# Altium PCB MC21R01.PcbDoc (part 5 of 5)
Units mm, origin at the board's own origin, x right, y up, seen from the top; angles counter-clockwise.
Board outline 100 x 50 mm, 8 copper layers (Top Layer, Layer 2, Layer 3, Layer 4, Layer 5, Layer 6, Layer 7, Bottom Layer), stack 1.724 mm thick; 414 components, 332 nets, 1863 pads, 665 vias.
Unrouted connection lines stored in the file: 196.
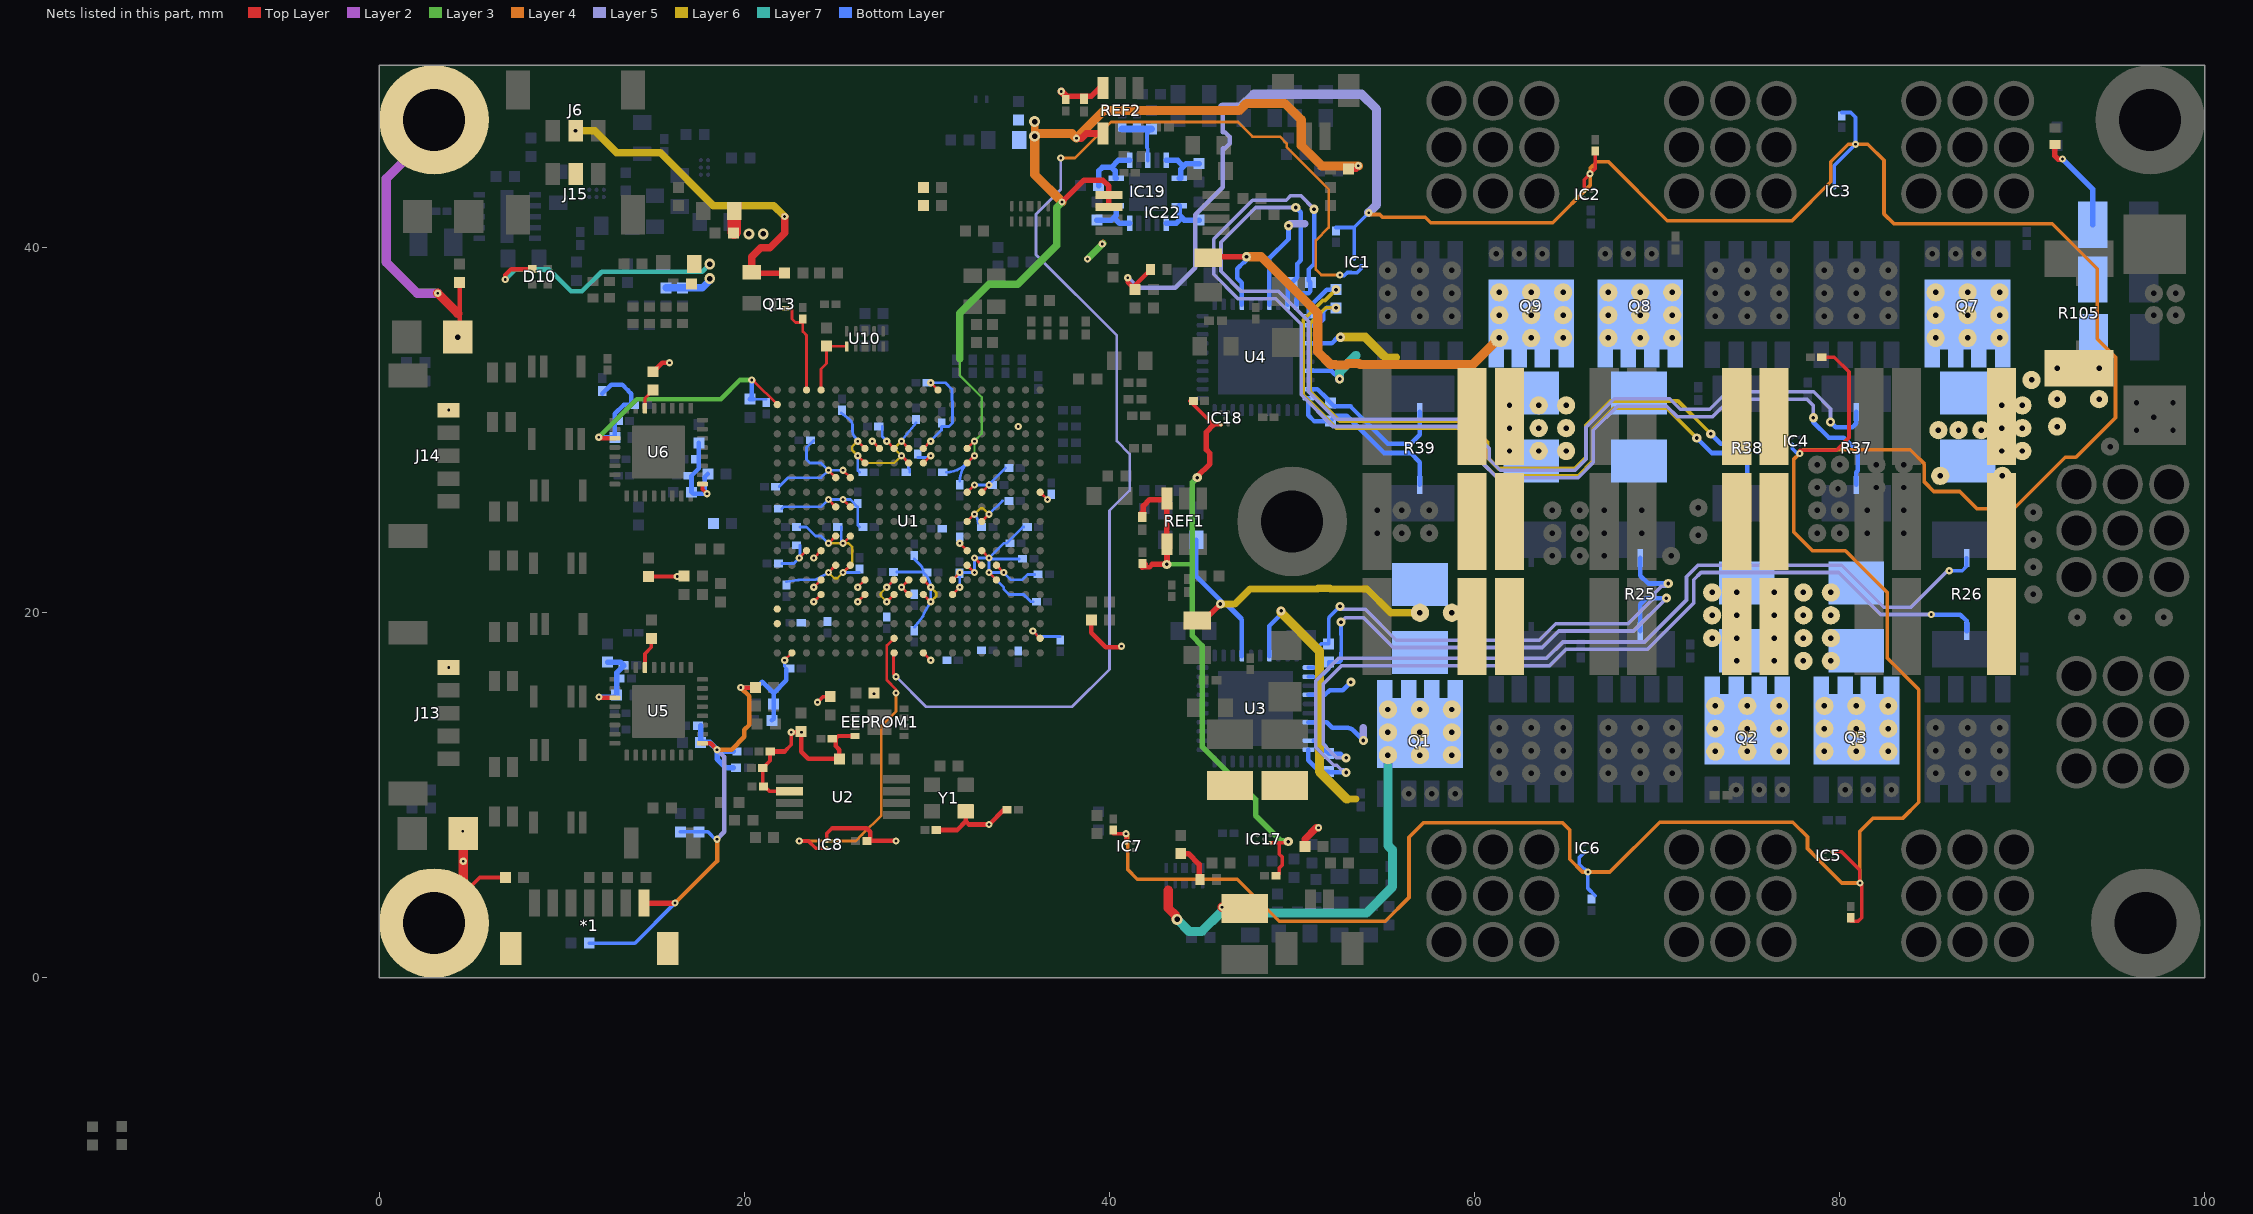
[diagram p11: the nets of this part, all layers, seen from the top]

## Via types
v1: diameter 0.4, hole 0.15, Top Layer to Bottom Layer, 497 vias
v2: diameter 0.5, hole 0.2, Top Layer to Bottom Layer, 122 vias
v3: diameter 0.6, hole 0.3, Top Layer to Bottom Layer, 45 vias
v4: diameter 0.4/0.4/0.4/0.4/0.4/0.4/0.4/0.4 (per signal layer), hole 0.15, Top Layer to Bottom Layer, 1 vias

## Nets (pads, with @x,y where several pads share a name; then routed paths per layer and width w, separated by ;. In a path a pad name is that pad's centre, name@x,y a point inside that pad or via, vN(x,y) a via of type N, cw(c..) or ccw(c..) an arc to the next point about the centre after c; other vN are vias at no path point) (continued)
SA2_N: C45.2 R37.3 U4.10 | length 64.1
  Layer 5 w0.2: v2(51.2,42.1) 51.2,42.119 50.469,42.85 49.931,42.85 49.681,42.6 47.834,42.6 45.7,40.466 45.7,38.534 47.034,37.2 49.1,37.2 50.5,35.8 50.5,31.934 52.234,30.2 59.034,30.2 60.4,28.834 60.4,28.234 61.234,27.4 65.666,27.4 66.5,28.234 66.5,30 67.817,31.317 70.517,31.317 71.09,30.744 73.044,30.744 74,31.7 78.203,31.7 78.55,31.353 v2(78.55,30.678)
  Bottom Layer w0.25: U4.10@50.25,36.875 50.25,37.25 50.5,37.5 50.9,37.5 51,37.6 C45.2@51,38.1 50.9,38.2 50.9,38.8 51.2,39.1 v2(51.2,42.1) ; v2(78.55,30.678) 78.55,30.434 79.387,29.597 80.226,29.597 80.975,28.848 80.975,27.77 80.905,27.7 R37.3@80.905,27
SA2_P: C45.1 R37.4 U4.9 | length 59.8
  Layer 5 w0.2: v2(50.2,42.2) 48,42.2 46.1,40.3 46.1,38.7 47.2,37.6 49.266,37.6 50.9,35.966 50.9,32.1 52.4,30.6 59.2,30.6 60.8,29 60.8,28.4 61.4,27.8 65.5,27.8 66.1,28.4 66.1,30.166 67.651,31.717 70.683,31.717 71.256,31.144 72.879,31.144 73.834,32.1 78.568,32.1 79.49,31.178 v2(79.49,30.45)
  Bottom Layer w0.25: U4.9@49.75,36.875 49.75,37.85 C45.1@50,38.1 50.275,38.375 50.275,39.104 50.475,39.304 50.475,41.929 50.204,42.2 v2(50.2,42.2) ; v2(79.49,30.45) 79.779,30.161 80.695,30.161 80.905,30.371 ; R37.4@80.9,30.6 80.9,30.995 R37.4@80.905,31 80.905,30.371
SB1_N: C23.2 R25.3 U3.11 | length 27.4
  Layer 5 w0.2: v2(52.621,20.35) 52.621,20.28 52.701,20.2 54,20.2 55.7,18.5 63.534,18.5 64.434,19.4 68.4,19.4 69.85,20.85 69.85,21.069 70.231,21.45 70.45,21.45 v2(70.6,21.6)
  Bottom Layer w0.2: U3.11@50.9,17 51.3,17 51.4,17.1 51.4,18.1 51.6,18.3 C23.2@52,18.3 52,19.7 52.025,19.725 52.025,19.754 52.571,20.3 v2(52.621,20.35)
  Bottom Layer w0.25: R25.3@69.071,23 69.071,22.029 69.5,21.6 v2(70.6,21.6)
SB1_P: C23.1 R25.4 U3.12 | length 27.2
  Layer 5 w0.2: v2(52.675,19.485) 52.907,19.717 53.917,19.717 55.534,18.1 63.7,18.1 64.6,19 68.7,19 v2(70.5,20.8)
  Bottom Layer w0.2: U3.12@50.9,16.5 51.6,16.5 52,16.9 C23.1@52,17.3 52.6,17.3 52.675,17.375 52.675,17.809 52.7,17.834 52.7,18.766 52.675,18.791 v2(52.675,19.485)
  Bottom Layer w0.25: R25.4@69.071,19 69.071,20.471 69.4,20.8 v2(70.5,20.8)
SB2_N: C46.2 R38.3 U4.11 | length 40.8
  Layer 6 w0.2: v2(52.4,37.7) 51.8,37.1 51.674,37.1 50.6,36.026 50.6,31.934 52.434,30.1 54.988,30.1 55,30.1 59.358,30.1 60.3,29.158 60.3,28.334 61.134,27.5 65.666,27.5 66.5,28.334 66.5,30.1 67.6,31.2 70.536,31.2 v2(72.163,29.574)
  Bottom Layer w0.25: U4.11@50.875,36.25 U4.11@50.9,36.25 50.9,36.7 51.9,37.7 v2(52.4,37.7) ; v2(72.163,29.574) 72.987,28.75 74.7,28.75 74.929,28.521 R38.3@74.929,27
SB2_P: C46.1 R38.4 U4.12 | length 39
  Layer 6 w0.2: v2(52.4,36.7) 51.839,36.7 51,35.861 51,32.1 52.6,30.5 54.988,30.5 55,30.5 59.523,30.5 60.7,29.323 60.7,28.5 61.3,27.9 65.5,27.9 66.1,28.5 66.1,30.266 67.434,31.6 71.13,31.6 v2(72.93,29.8)
  Bottom Layer w0.25: U4.12@50.875,35.75 51.386,35.75 51.7,36.064 51.7,36.5 51.9,36.7 v2(52.4,36.7) ; v2(72.93,29.8) 73.48,29.25 74.7,29.25 74.929,29.479 R38.4@74.929,31
  Bottom Layer w0.3: v2@72.93,29.746 v2(72.93,29.8)
SB24_ADC_IN1415_N: R80.2
SB24_ADC_IN1415_P: R79.2
SC1_N: C24.2 R26.3 U3.20 | length 50.1
  Layer 5 w0.2: v2(52.958,11.249) 52.808,11.399 52.689,11.399 52.439,11.649 52.285,11.649 51.3,12.634 51.3,16.266 52.534,17.5 63.934,17.5 64.834,18.4 69.3,18.4 71.6,20.7 71.6,21.966 72.234,22.6 80.1,22.6 82.4,20.3 83.9,20.3 85.9,22.3 v1(86,22.3)
  Bottom Layer w0.2: v1(86,22.3) 86.7,22.3 86.941,22.541 R26.3@86.941,23
  Bottom Layer w0.25: U3.20@50.875,12.5 50.875,11.925 51.5,11.3 C24.2@52,11.3 52.025,11.275 52.933,11.275 v2(52.958,11.249)
SC1_P: C24.1 R26.4 U3.19 | length 47.4
  Layer 5 w0.2: v2(52.958,12.049) 52.451,12.049 51.7,12.8 51.7,16.1 52.7,17.1 64.1,17.1 65,18 69.466,18 72,20.534 72,21.8 72.4,22.2 79.934,22.2 82.234,19.9 v1(85.009,19.9)
  Bottom Layer w0.25: U3.19@51.194,13 51.521,13 51.85,12.671 51.85,12.45 C24.1@52,12.3 52.035,12.265 52.675,12.265 52.891,12.049 v2(52.958,12.049) v2@52.92,12.087 ; v1(85.009,19.9) 86.6,19.9 86.941,19.559 R26.4@86.941,19.36
  Bottom Layer w0.3: R26.4@86.941,19 R26.4@86.941,19.36
SC2_N: C47.2 R39.3 U4.20 | length 9.6
  Bottom Layer w0.25: U4.20@50.875,31.75 50.875,30.825 51.2,30.5 C47.2@52.1,30.5 52.4,30.8 52.993,30.8 55.043,28.75 56.5,28.75 57,28.25 R39.3@57,27
SC2_P: C47.1 R39.4 U4.19 | length 8.8
  Bottom Layer w0.25: U4.19@50.875,32.25 51.386,32.25 51.925,31.711 51.925,31.675 51.968,31.632 52.3,31.3 53.2,31.3 55.25,29.25 56.5,29.25 57,29.75 R39.4@57,31
SHA1: NT1.1 U3.7 | length 15
  Layer 6 w0.4: 53,9.8 NT1.1@53.5,9.8
  Layer 6 w0.5: v2(49.4,20.1) 49.4,20 51.5,17.9 51.5,11.3 53,9.8
  Bottom Layer w0.25: U3.7@48.75,17.625 48.75,19.273 49.352,19.875 49.352,20.052 v2(49.4,20.1)
SHA2: NT4.1 U4.7 | length 5.7
  Layer 5 w0.4: v2(49.8,41.2) 49.9,41.3 NT4.1@50.7,41.3
  Bottom Layer w0.25: U4.7@48.75,36.875 48.75,39.418 49.8,40.468 v2(49.8,41.2)
SHB1: U3.14 | length 2.6
  Bottom Layer w0.25: U3.14@50.875,15.5 51.801,15.5 52.053,15.752 52.766,15.752 v2(53.214,16.2)
SHB2: NT5.1 U4.14 | length 5.4
  Layer 6 w0.4: 55,34.1 55.1,34 NT5.1@55.7,34
  Layer 6 w0.5: v2(52.65,35.087) 52.663,35.1 54,35.1 55,34.1
  Bottom Layer w0.25: U4.14@50.875,34.75 52.166,34.75 52.504,35.087 v2(52.65,35.087)
SHC1: NT3.1 U3.17 | length 4.1
  Layer 5 w0.4: v2(53.9,13) NT3.1@53.9,13.7
  Bottom Layer w0.25: U3.17@50.875,14 51.9,14 52.2,13.7 53,13.7 cw(c53,13.217) 53.341,13.559 v2(53.9,13)
SHC2: NT6.1 U4.17 | length 3.6
  Layer 7 w0.5: v2(52.6,32.8) 52.6,33.211 53.039,33.65 53.05,33.65 NT6.1@53.5,34.1
  Bottom Layer w0.25: U4.17@50.875,33.25 52.15,33.25 v2(52.6,32.8)
SHIELD: *1.M1 *1.M2 C55.2 C56.2 C61.2 C62.2 J13.5 J14.5 pad.16@3,3 pad.16@3,47 | length 23
  Top Layer w0.2: pad.16@4.6,4.6 5.5,5.5 C56.2@6.9,5.5
  Top Layer w0.25: v3(4.3,35.1) ccw(c4.059,35.341) 4.4,35.341 C62.2@4.4,38.1
  Top Layer w0.5: v1(3.2,37.5) 4.3,36.4 ; pad.16@4.6,4.6 v1(4.6,6.392) C55.2@4.6,7.9
  Layer 2 w0.5: pad.16@3,47 3,46.4 0.377,43.777 0.377,39.2 2.077,37.5 v1(3.2,37.5)
  other v1: 4.572,8.028 3.8,17 3.8,31.1
STO1_3V_GPIO121: R87.1 U1.W16 U10.1 | length 3.6
  Top Layer w0.15: U1.W16@24.2,32.2 24.2,33.348 24.5,33.648 R87.1@24.5,34.6 U10.1@25.582,34.6
STO1_24V: J6.2 J15.2 R118.2 R119.2 | length 19.3
  Top Layer w0.3: R118.2@20.4,38.65 20.45,38.6 R119.2@22.2,38.6
  Top Layer w0.4: R118.2@20.4,38.65 20.4,39.5 20.9,40 21.4,40 22.2,40.8 v1(22.2,41.7)
  Layer 6 w0.4: v2(10.75,46.4) 11.8,46.4 13,45.2 15.4,45.2 18.3,42.3 21.6,42.3 v1(22.2,41.7)
STO1_OUT_GPIO39: C88.1 Q13.1 U1.W17 | length 5.3
  Top Layer w0.15: Q13.1@22.25,36.675 22.525,36.675 22.6,36.6 22.6,36.1 22.8,35.9 23.2,35.9 23.2,35.4 23.4,35.2 U1.W17@23.4,32.2
Strap2_0: R43.2 U5.30 | length 1.7
  Top Layer w0.2: U5.30@14.55,17 14.55,17.753 14.9,18.103 R43.2@14.9,18.6
Strap2_1: R51.2 U6.30 | length 1.2
  Top Layer w0.15: U6.30@14.55,31.2 14.55,31.75 R51.2@15,32.2
TEMP_CHAIN_RX_GPIO85: IC8.B1 U1.B11 | length 17.1
  Top Layer w0.15: U1.B11@28.2,18.6 27.8,18.2 27.8,16.768 27.8,16.3 28.3,15.8 v1(28.3,15.6)
  Top Layer w0.2: v1(23,7.5) 23.5,7.5 23.9,7.1 IC8.B1@24.5,7.1
  Layer 4 w0.15: v1(23,7.5) 26.1,7.5 26.442,7.842 27.5,8.9 27.5,13.8 28.3,14.6 v1(28.3,15.6)
TEMP_CHAIN_TX_GPIO84: IC1.B2 U1.A11 | length 70.4
  Top Layer w0.15: v1@28.165,16.635 28.165,17.609 28.278,17.722 U1.A11@28.2,17.8
  Layer 4 w0.15: v1(37.325,44.905) 38.105,44.905 40.075,46.875 47.025,46.875 47.825,46.075 47.862,46.075 49.325,46.075 49.7,45.7 49.7,45.5 52,43.2 52,41.1 51.3,40.4 51.3,38.8 51.6,38.5 v1(52.616,38.5)
  Layer 5 w0.15: v1(28.3,16.5) 29.948,14.852 37.952,14.852 40,16.9 40,25.6 41.1,26.7 41.1,28.7 40.4,29.4 40.4,35.18 35.97,39.609 35.97,41.827 37.325,43.182 v1(37.325,44.905)
  Bottom Layer w0.2: v1(52.616,38.5) 52.647,38.469 52.861,38.469 53.032,38.64 53.23,38.64 53.245,38.625 53.555,38.625 53.775,38.845 53.775,39 IC1.B2@53.8,39
USB0_DM_GPIO42: U1.D19
USB0_DP_GPIO43: U1.C19
VDD_1V2: C139.1 C140.1 C141.1 C142.1 C143.1 C144.1 C145.1 C146.1 C189.1 C190.1 C191.1 C192.1 C193.1 C194.1 C195.1 L7.1 U1.E9 U1.E11 U1.F9 U1.F11 U1.G14 U1.G15 U1.J14 U1.J15 U1.K5 U1.K6 U1.P10 U1.P13 U1.R10 U1.R13 | length 41.2
  Top Layer w0.15: v1(24.6,22.2) U1.G15@25,22.6 ; v1(24.6,23.8) U1.J15@25,24.2 ; v1(25.4,22.2) U1.G14@25.8,22.6 ; v1(25.4,23.8) U1.J14@25.8,24.2 ; v1(26.2,28.6) U1.P13@26.6,28.2 ; v1(26.2,29.4) U1.R13@26.6,29 ; v1(27.8,20.6) U1.E11@28.2,21 ; v1(27.8,21.4) U1.F11@28.2,21.8 ; v1(28.6,28.6) U1.P10@29,28.2 ; v1(28.6,29.4) U1.R10@29,29 ; U1.E9@29.8,21 v1(30.2,20.6) ; U1.F9@29.8,21.8 v1(30.2,21.4) ; U1.K6@32.2,25 v1(32.6,25.4) ; U1.K5@33,25 v1(33.4,25.4)
  Top Layer w0.5: C139.1@19.4,40.8 C139.1@19.45,40.85
  Top Layer w0.75: C139.1@19.45,40.85 L7.1@19.45,42
  Layer 6 w0.125: v1(24.6,22.2) 24.914,21.886 25.086,21.886 v1(25.4,22.2) 25.9,22.7 25.9,23.6 25.7,23.8 v1(25.4,23.8) v1(24.6,23.8) ; v1(26.2,29.4) 25.886,29.086 25.886,28.914 v1(26.2,28.6) 26.6,28.2 28.2,28.2 v1(28.6,28.6) 28.273,28.927 28.273,29.073 v1(28.6,29.4) ; v1(27.8,20.6) 27.473,20.927 27.473,21.073 v1(27.8,21.4) ; v1(30.2,20.6) 30.514,20.914 30.514,21.086 v1(30.2,21.4) ; v1(32.6,25.4) 32.927,25.727 33.073,25.727 v1(33.4,25.4)
  Bottom Layer w0.15: C190.1@22.3,21.7 22.94,21.796 ; C191.1@23.05,24.7 23.4,24.7 23.9,24.2 24.2,24.2 v1(24.6,23.8) ; v1(24.6,22.2) 24,21.854 cw(c23.8,22.2) 23.799,21.8 23.001,21.8 ; v1@25.3,23.9 C143.1@25.3,24.7 ; C192.1@25.3,30.95 25.725,30.612 ; v1(25.4,22.2) C144.1@26.3,22.2 ; v1(26.2,28.6) 26.2,27.8 C140.1@26.3,27.7 ; v1(26.2,29.4) 25.982,29.716 ; v1(27.8,21.4) 28.144,21.744 ; C145.1@28.347,22.233 29.767,22.233 C146.1@29.8,22.2 ; v1(28.6,28.6) 28.975,28.225 28.975,27.925 29.05,27.85 C141.1@29.05,27.7 ; v1(28.6,29.4) 28.598,29.421 C193.1@29.4,30.4 ; C195.1@29.3,19.2 29.757,19.776 ; C189.1@29.3,22.95 29.623,22.627 cw(c29.196,22.2) C146.1@29.8,22.2 ; v1(32.6,25.4) cw(c32.117,24.917) 32.8,24.917 ; v1(33.4,25.4) 34.129,26.129 ; 22.94,21.796 cw(c23,21.4) 23.001,21.8 ; 22.94,21.796 cw(c23,21.4) 23.001,21.8 ; 25.725,30.612 cw(c25.4,30.2) 25.925,30.198 ; 25.725,30.612 cw(c25.4,30.2) 25.925,30.198 ; 25.925,29.9 ccw(c26.25,29.9) 25.982,29.716 ; 25.925,29.9 ccw(c26.25,29.9) 25.982,29.716 ; 25.925,29.9 25.925,30.198 ; 29.757,19.776 ccw(c29.6,19.9) 29.789,19.836 ; 29.757,19.776 ccw(c29.6,19.9) 29.789,19.836 ; 29.789,19.836 29.821,19.929 ; C146.1@29.8,22.2 29.917,22.083 cw(c29.234,21.4) v1(30.2,21.4) v1(30.2,20.6) 29.854,20 ; 29.821,19.929 cw(c30.2,19.8) 29.854,20 ; 29.821,19.929 cw(c30.2,19.8) 29.854,20
  other v3: 21.032,40.746 20.24,40.757
VDD_3V3: *1.1 C1.1 C2.1 C3.1 C27.1 C50.1 C51.1 C57.1 C63.1 C64.1 C65.1 C66.1 C67.1 C68.1 C69.1 C70.1 C71.1 C72.1 C73.1 C74.1 C75.1 C76.1 C77.1 C78.1 C79.1 C80.1 C81.1 C82.1 C83.1 C84.1 C85.1 C86.1 C87.1 C123.1 C132.1 C135.1 C149.1 C150.1 C151.1 C152.1 C153.1 C154.1 C155.1 C156.1 C157.1 C158.1 C159.1 C160.1 C161.1 C162.1 C163.1 C164.1 C177.1 C178.1 C179.1 C180.1 C181.1 C182.1 C183.1 C184.1 C185.1 C186.1 C187.1 C188.1 D1.A D2.A D10.1 EEPROM1.8 IC1.A1 IC2.A1 IC3.A1 IC4.A1 IC5.A1 IC6.A1 IC7.A1 IC8.A1 L5.1 R1.2 R3.2 R4.2 R9.2 R16.2 R20.2 R27.2 R40.2 R44.1 R46.2 R48.2 R50.1 R51.1 R52.1 R54.2 R56.2 R58.1 R61.2 R62.2 R63.1 R64.1 U1.A9 U1.A18 U1.B1 U1.E7 U1.E10 U1.E13 U1.E16 U1.F4 U1.F7 U1.F10 U1.F13 U1.F16 U1.G4 U1.G5 U1.G6 U1.H5 U1.H6 U1.H16 U1.H17 U1.L14 U1.L15 U1.M1 U1.M5 U1.M6 U1.N14 U1.N15 U1.P9 U1.R9 U1.R11 U1.R12 U1.V19 U1.W8 U2.6 U5.3 U5.17 U6.3 U6.17 Y1.4 | length 393
  Top Layer w0.15: v1@20.5,32.7 U1.V19@21.8,31.4 ; v1(22.2,17.4) U1.A18@22.6,17.8 ; v1(23,23) U1.H17@23.4,23.4 ; v1(23.8,20.6) U1.E16@24.2,21 ; v1(23.8,21.4) U1.F16@24.2,21.8 ; v1(23.8,23) U1.H16@24.2,23.4 ; v1(24.6,26.2) U1.L15@25,25.8 ; v1(24.6,27.8) U1.N15@25,27.4 ; v1(25.4,26.2) U1.L14@25.8,25.8 ; v1(25.4,27.8) U1.N14@25.8,27.4 ; v1(26.2,20.6) U1.E13@26.6,21 ; v1(26.2,21.4) U1.F13@26.6,21.8 ; v1(27,29.4) U1.R12@27.4,29 ; v1(27.8,29.4) U1.R11@28.2,29 ; U1.E10@29,21 v1(28.6,21.4) U1.F10@29,21.8 ; U1.A9@29.8,17.8 v1(30.2,17.4) ; U1.P9@29.8,28.2 v1(30.2,28.6) ; U1.R9@29.8,29 v1(30.2,29.4) ; v1(30.2,32.6) U1.W8@30.6,32.2 ; U1.E7@31.4,21 v1(31.8,21.4) ; U1.F7@31.4,21.8 v1(31.8,22.2) ; v1(31.8,23.8) U1.H6@32.2,23.4 ; U1.G6@32.2,22.6 v1(32.6,22.2) ; U1.M6@32.2,26.6 v1(32.6,27) ; v1(32.6,23) U1.G5@33,22.6 ; U1.H5@33,23.4 v1(33.4,23) ; U1.M5@33,26.6 v1(33.4,27) ; v1(33.4,22.2) U1.F4@33.8,21.8 ; U1.G4@33.8,22.6 v1(34.2,22.2) ; v1(35.8,19) U1.B1@36.2,18.6 ; U1.M1@36.2,26.6 v1(36.6,26.2)
  Top Layer w0.2: R48.2@14.749,21.989 v1(16.324,21.989) ; U6.17@17.7,27.05 17.7,26.765 v1(17.952,26.513) ; C1.1@21.4,12.4 21.4,11.9 C3.1@21,11.5 21,10.6 21.375,10.225 U2.6@22.462,10.225 ; 22.2,12.4 22.564,12.764 v1(22.564,13.448) ; v1(24,15.1) 24.3,15.4 R62.2@24.7,15.4 ; IC8.A1@24.5,7.5 24.5,7.9 24.8,8.2 ; C63.1@25,13.1 25.15,13.25 EEPROM1.8@26.05,13.25 ; C86.1@40.2,7.9 v1(40.9,7.9) IC7.A1@40.9,7.4 ; IC2.A1@65.995,43.1 65.995,43.723 v1(66.32,44.049) 66.6,44.329 C81.1@66.6,45.1 ; v1(77.8,28.725) v1@77.8,28.899 ; v1@77.801,28.9 79.8,28.9 80.5,29.6 80.5,33.193 79.693,34 C83.1@79.2,34 ; IC5.A1@79.6,6.9 80.1,6.9 81.1,5.9 v1(81.1,5.2) 81.2,5.1 81.2,3.3 81,3.1 C84.1@80.6,3.1
  Top Layer w0.25: v1(6.9,38.253) 6.9,38.5 7.225,38.825 D10.1@8.375,38.825 ; v1(12.022,29.612) ccw(c12.171,29.761) 12.171,29.55 U6.3@12.9,29.55 ; v1(12.029,15.381) 12.06,15.35 U5.3@12.9,15.35 ; R51.1@15,33.2 15.5,33.7 v1(15.9,33.7) ; U5.17@17.7,12.85 18.15,12.85 v1(18.5,12.5) ; v1(19.8,15.9) R4.2@20.6,15.9 ; v1(20.4,32.75) 20.4,32.7 v1@20.5,32.7 ; C1.1@21.4,12.4 C1.1@21.416,12.4 22.2,12.4 ; v1(22.564,13.448) v1(23.12,13.448) 23.12,12.38 23.5,12 R16.2@25.2,12 25.2,12.5 25,12.7 C63.1@25,13.1 ; 24.8,8.2 26.7,8.2 26.9,8 26.9,7.5 v1(28.3,7.5) ; v1(27.1,15.556) R61.2@27.1,15.6 ; C132.1@30.7,8.1 31.65,8.1 32.125,8.575 ; Y1.4@32.125,9.118 32.125,8.575 ; C123.1@34.2,9.2 v1(33.4,8.4) 32.3,8.4 32.125,8.575 ; R20.2@39,19.6 39,18.9 39.8,18.1 40.587,18.1 v1(40.651,18.164) ; v1(41,38.354) 41,38.1 R40.2@41.4,37.7 41.4,37.95 D2.A@42.25,38.8
  Top Layer w0.3: *1.1@14.5,4.1 v1(16.2,4.1) ; U2.6@22.462,10.193 U2.6@22.58,10.193 ; R27.2@43.9,6.8 44.322,6.8 44.9,6.222 44.9,5.45 D1.A@44.95,5.4
  Layer 3 w0.25: v1(12.022,29.612) 14.11,31.7 18.7,31.7 19.75,32.75 v1(20.4,32.75)
  Layer 4 w0.2: v1@40.99,7.81 40.99,5.93 41.52,5.4 47,5.4 49.3,3.1 55.1,3.1 56.4,4.4 56.4,7.7 57.191,8.491 64.809,8.491 65.2,8.1 65.2,6.5 65.9,5.8 v1(66.2,5.8) 67.4,5.8 70.131,8.531 77.426,8.531 78.225,7.731 78.225,7.083 78.75,6.558 80.108,5.2 v1(81.1,5.2) 81.1,8.026 81.826,8.752 83.456,8.752 84.318,9.614 84.318,15.791 82.593,17.516 82.593,21.107 80.305,23.395 78.505,23.395 77.468,24.432 77.468,28.393 v1(77.8,28.725) 77.996,28.921 83.854,28.921 84.633,28.141 84.633,27.156 85.147,26.642 86.572,26.642 87.515,25.7 89.534,25.7 92.349,28.515 92.931,28.515 95.075,30.659 ; v1(54.196,41.915) 54.301,41.81 54.801,41.81 54.947,41.664 57.296,41.664 57.594,41.365 64.278,41.365 66.32,43.408 v1(66.32,44.049) 66.32,44.331 66.689,44.7 67.33,44.7 70.553,41.477 77.377,41.477 79.5,43.6 79.5,44.7 80.465,45.665 v1(80.862,45.665) 81.535,45.665 82.42,44.78 82.42,41.847 82.967,41.3 91.64,41.3 94.1,38.84 94.1,35 95.1,34 95.1,30.684
  Layer 4 w0.25: v1(16.2,4.1) 18.5,6.4 v1(18.5,7.6) ; v1(18.5,12.5) 19.3,12.5 20,13.2 20,13.6 20.274,13.874 20.274,15.426 v1(19.8,15.9)
  Layer 5 w0.25: v1(18.5,7.6) 18.9,8 18.9,12.1 v1(18.5,12.5) ; v1(41,38.354) 41.554,37.8 43.6,37.8 44.7,38.9 44.7,41.8 46.2,43.3 46.2,45.43 46.309,45.43 46.572,45.693 46.572,46.066 46.309,46.33 46.2,46.33 46.2,47.7
  Layer 5 w0.5: 46.2,47.7 47.2,47.7 47.9,48.4 53.8,48.4 54.626,47.574 54.626,42.344 v1(54.196,41.915)
  Layer 7 w0.25: v1(6.9,38.253) 7.447,38.8 9.3,38.8 10.5,37.6 11.1,37.6 12.186,38.686 17.686,38.686 v3(18.1,39.1)
  Bottom Layer w0.15: R52.1@20.5,31.7 C186.1@21.2,31.7 ; C177.1@21.9,26.9 22.4,27.4 24.2,27.4 v1(24.6,27.8) ; C187.1@22.05,22.7 22.7,22.7 v1(23,23) 23.05,23.05 C154.1@23.05,23.7 ; C51.1@22.05,25.7 22.15,25.8 24.2,25.8 v1(24.6,26.2) v1(25.4,26.2) 25.8,26.2 26.2,25.8 26.2,24.8 C157.1@26.3,24.7 ; v1(22.2,17.4) 22.2,17.05 22.3,16.95 C185.1@22.3,16.9 ; C50.1@23.8,29.45 23.4,29.05 23.4,28.4 23.6,28.2 24.2,28.2 v1(24.6,27.8) ; v1(25.4,27.8) v1(24.6,27.8) ; C151.1@27.55,30.2 27.55,29.65 v1(27.8,29.4) ; C27.1@29.5,28.5 v1@30.2,28.5 ; v1(30.2,29.4) 30.8,30 30.8,30.2 31.2,30.2 31.4,30.4 31.4,31.585 31.365,31.62 31.365,32.235 31,32.6 v1(30.2,32.6) ; v1(31.8,21.4) v1(31.8,22.2) v1(32.6,22.2) v1(32.6,23) v1(33.4,23) ; v1(32.6,27) v1(33.4,27) 33.4,27.035 C178.1@34.297,27.932 ; C162.1@35.05,22.95 33.45,22.95 v1(33.4,23) ; C180.1@35.3,24.7 35.248,24.7 34.348,23.8 34.2,23.8 v1(33.4,23) ; v1(35.8,19) 36.1,18.7 C184.1@37.3,18.7 ; C179.1@35.8,20.6 35.7,20.6 35.3,21 34.5,21 34.2,21.3 34.2,21.4 v1(33.4,22.2) ; C163.1@35.9,22.1 35.5,22.1 35.2,21.8 34.6,21.8 v1(34.2,22.2) v1(33.4,22.2) ; v1(33.4,22.2) v1(33.4,23)
  Bottom Layer w0.2: R1.2@11.5,1.9 14,1.9 v1(16.2,4.1) ; R56.2@16.5,8 17.999,8 ; 18,8 18.4,7.6 v1(18.5,7.6) ; C80.1@52.4,41.1 53.382,41.1 ; IC1.A1@53.4,39.4 53.4,40.8 53.4,41.118 v1(54.196,41.915) ; IC6.A1@66,6.9 66,6.861 65.731,6.592 65.731,6.211 66.001,5.942 66.058,5.942 v1(66.2,5.8) 66.2,4.9 C85.1@66.6,4.5 ; IC4.A1@77.4,29.2 77.4,28.999 77.674,28.725 v1(77.8,28.725) ; IC3.A1@79.7,43.3 79.7,44.504 v1(80.862,45.665) 80.862,47.138 80.6,47.4 C82.1@80.1,47.4
  Bottom Layer w0.25: v1(12.022,29.612) 12.871,29.612 cw(c12.871,29.571) C76.1@12.9,29.6 12.9,30.5 12.9,30.9 13.4,31.4 13.8,31.4 13.8,31.987 13.625,32.162 13.625,32.175 13.3,32.5 12.703,32.5 12.618,32.415 12.615,32.415 C79.1@12.2,32 ; R58.1@17.5,29.3 17.5,28.4 17.5,27.9 17.1,27.5 C72.1@17.1,26.6 17.187,26.513 v1(17.952,26.513) 17.814,26.65 17.814,27.414 C75.1@18,27.6 ; v1(19.8,15.9) 20.666,15.9 20.983,16.217 21.6,15.6 ; v1(20.4,32.75) 20.4,31.8 R52.1@20.3,31.7 R52.1@20.5,31.7 ; R44.1@21.5,14.1 21.6,14.2 R50.1@21.6,15 21.6,15.6 ; C185.1@22.3,16.9 22.3,16.3 21.6,15.6 ; v1(40.651,18.164) v1@40.67,18.145
  Bottom Layer w0.3: v1(12.029,15.381) 12.881,15.381 C64.1@13,15.5 13,16.7 13.4,17.1 13.2,17.3 C67.1@12.5,17.3 ; C70.1@17.6,13.8 C68.1@17.6,12.9 18.1,12.9 v1(18.5,12.5) ; C71.1@19.4,11.5 19,11.5 18.5,12 v1(18.5,12.5) ; C69.1@19.4,12.4 18.6,12.4 v1(18.5,12.5)
  Bottom Layer w0.4: R63.1@15.7,37.8 R64.1@16.6,37.8 17.7,37.8 18.1,38.2 v3(18.1,38.3)
VDD_5V0: C100.1 C101.1 C108.2 C109.2 IC17.A3 IC18.A3 REF1.3 REF1.4 | length 40.4
  Top Layer w0.2: C109.2@44.4,31.6 45,31 45.7,30.3 IC18.A3@46.1,30.3 ; IC17.A3@48.793,7.4 49.26,7.4 ; C108.2@49.3,5.7 49.3,6.022 49.45,6.172 49.45,6.628 49.3,6.778 49.3,7.36 49.26,7.4 ; v2(49.791,7.463) 49.727,7.4 49.26,7.4
  Top Layer w0.25: C101.1@41.8,22.5 42.2,22.5 42.35,22.65
  Top Layer w0.3: C100.1@41.7,25.4 41.85,25.55 41.85,25.85 42.2,26.2 42.997,26.2 43.098,26.302 REF1.3@43.15,26.25 43.136,26.236 REF1.4@43.136,23.75 ; C101.1@41.8,22.5 C101.1@41.95,22.65 ; 42.35,22.65 43.15,22.65 REF1.4@43.15,23.45 ; v2(43.136,22.651) 43.136,23.436 REF1.4@43.15,23.45 ; REF1.4@43.15,23.75 REF1.4@43.15,23.45 ; v2(44.8,27.4) 44.8,27.454 45.5,28.154 45.5,28.732 45.3,28.932 45.3,29.9 45.7,30.3
  Layer 3 w0.25: v2(43.136,22.651) 44.47,22.651 44.519,22.7
  Layer 3 w0.3: v2(44.8,27.4) 44.519,27.119 44.519,22.7 44.519,18.741 45.075,18.185 45.075,13.1 45.075,12.683 48,9.758 48,8.9 49.398,7.502 49.752,7.502 v2(49.791,7.463)
VDDA_3V3: C102.1 C103.1 C116.1 C117.1 C137.1 C147.1 C148.1 C196.1 IC19.4 IC22.5 IC22.6 L6.1 R29.2 R42.2 REF2.3 REF2.4 U1.P6 U1.R6 | length 64.5